# Altium PCB Dart_Controller_PCB.PcbDoc
Units mil, origin at the board's own origin, x right, y up, seen from the top; angles counter-clockwise.
Board outline 2952.76 x 1574.8 mil, 4 copper layers (TOP, GND02, PWR03, BOTTOM), stack 23.756 mil thick; 83 components, 45 nets, 311 pads, 161 vias.
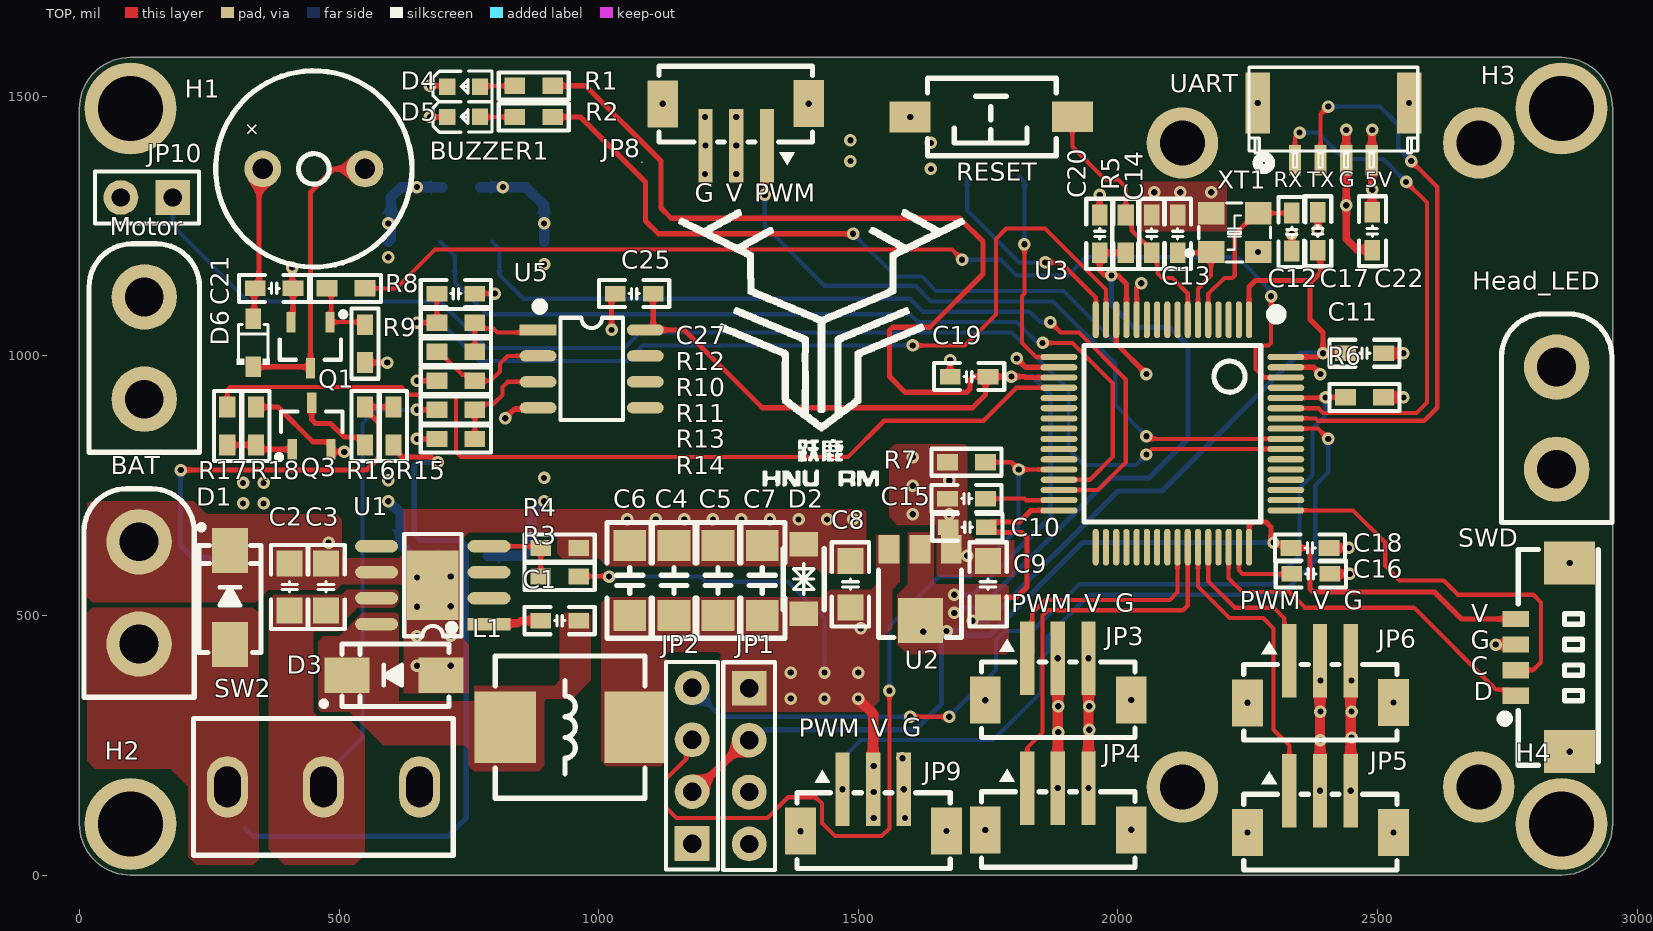
[diagram p0: TOP view]
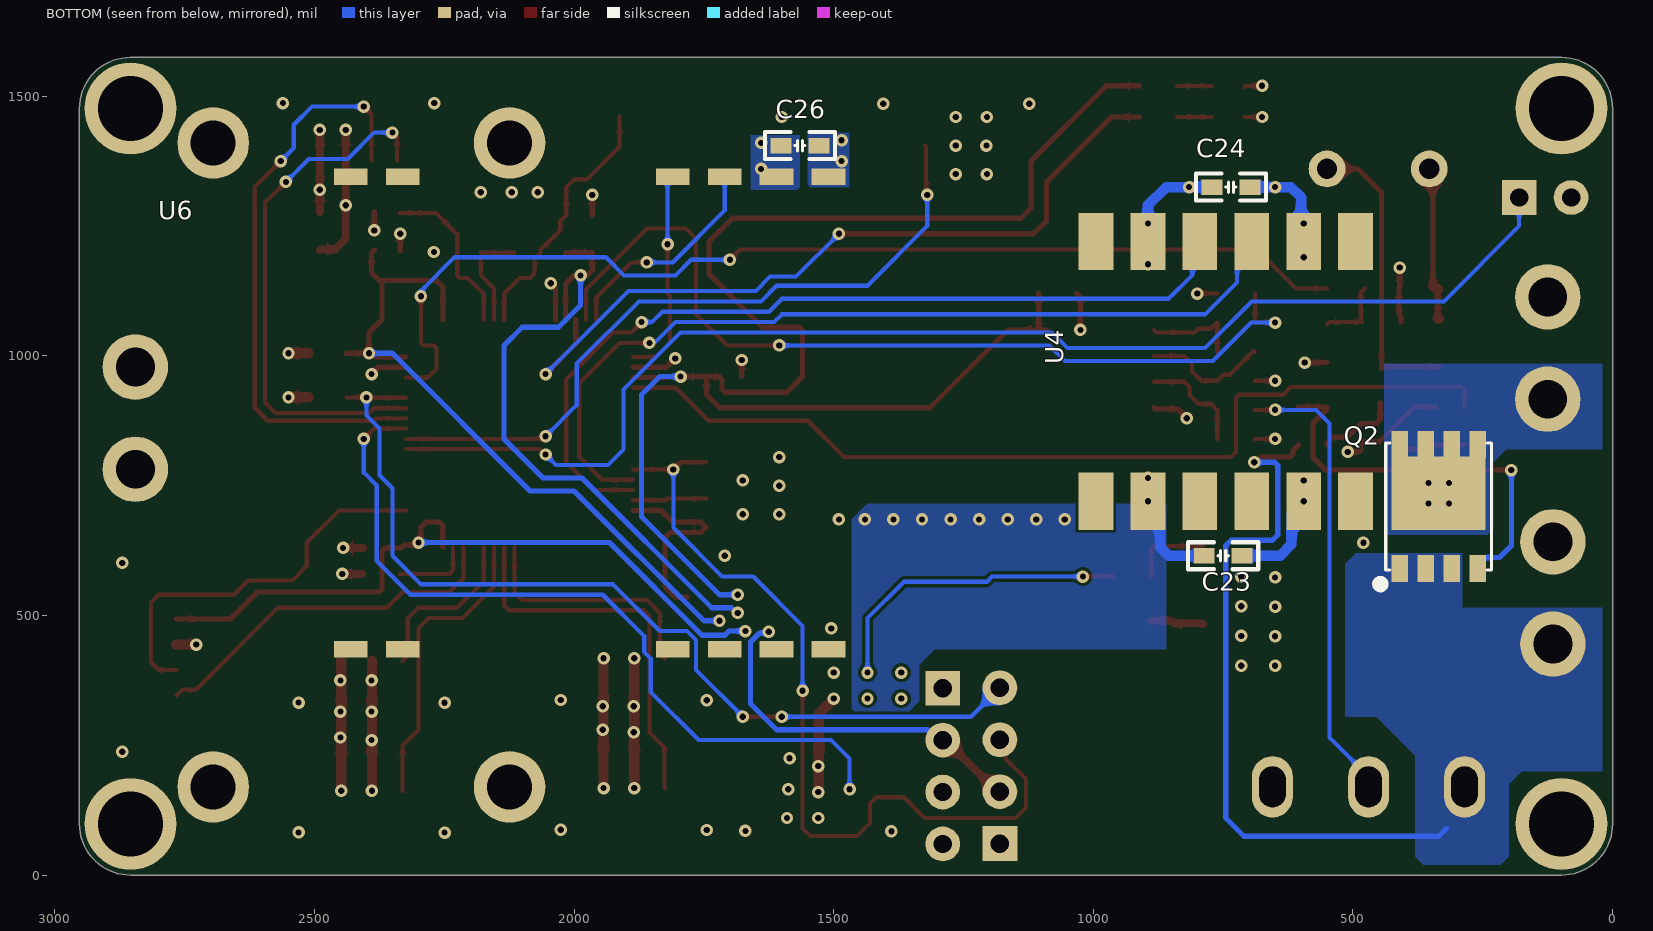
[diagram p1: BOTTOM view, seen from below]
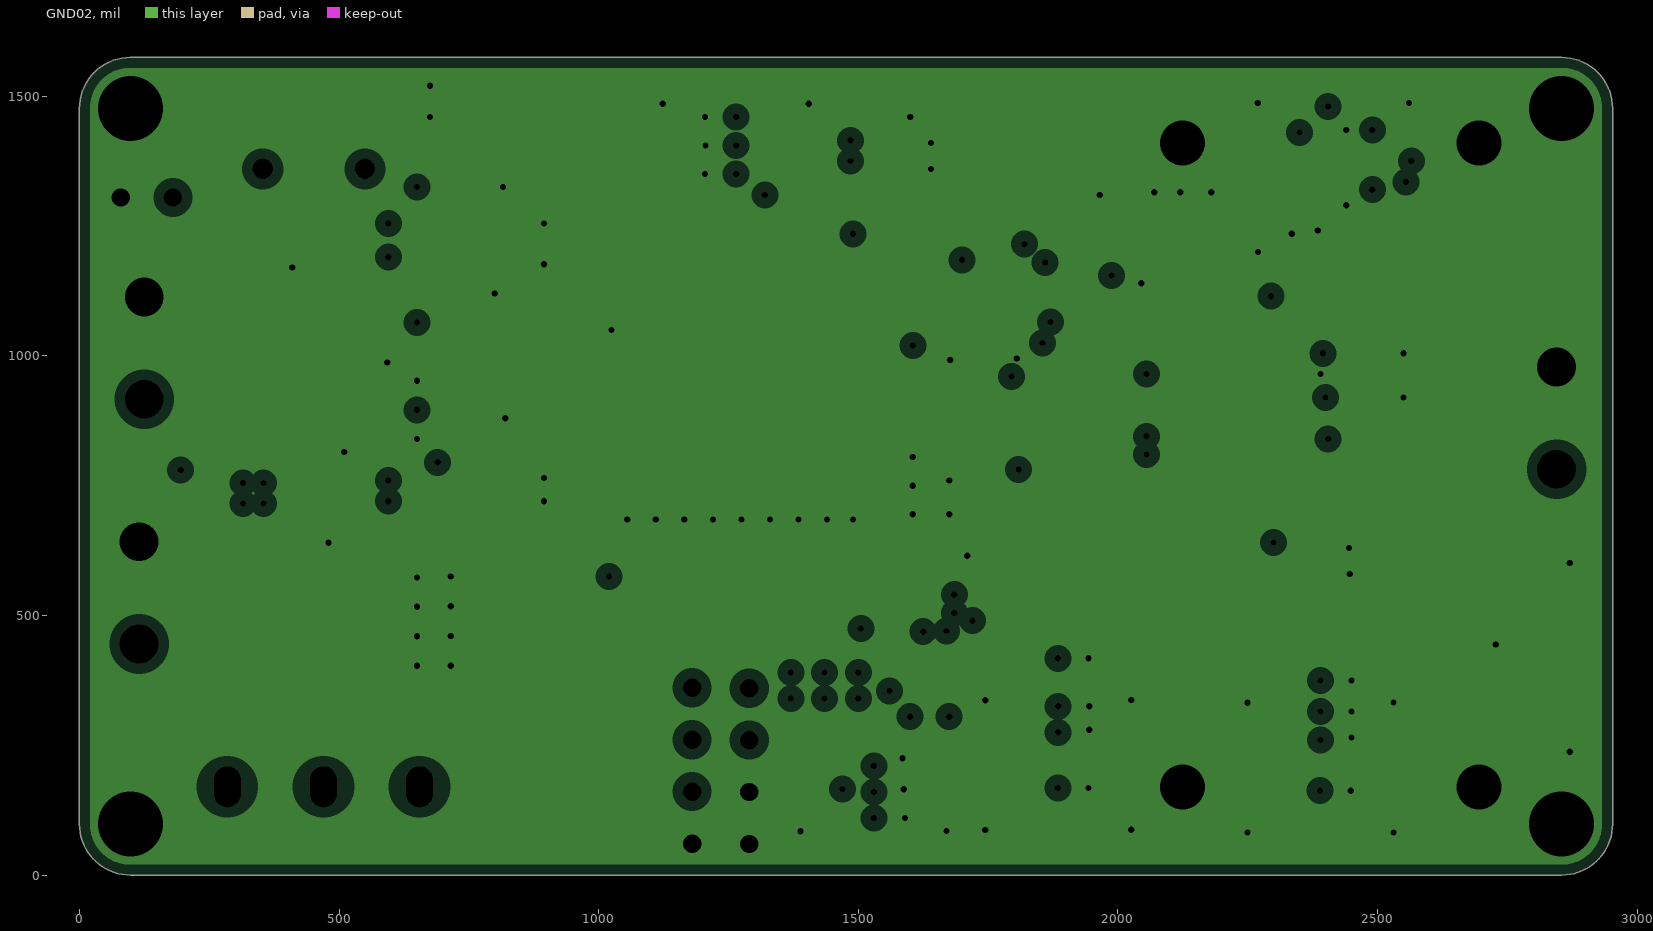
[diagram p2: GND02, clearances drawn from the general rule]
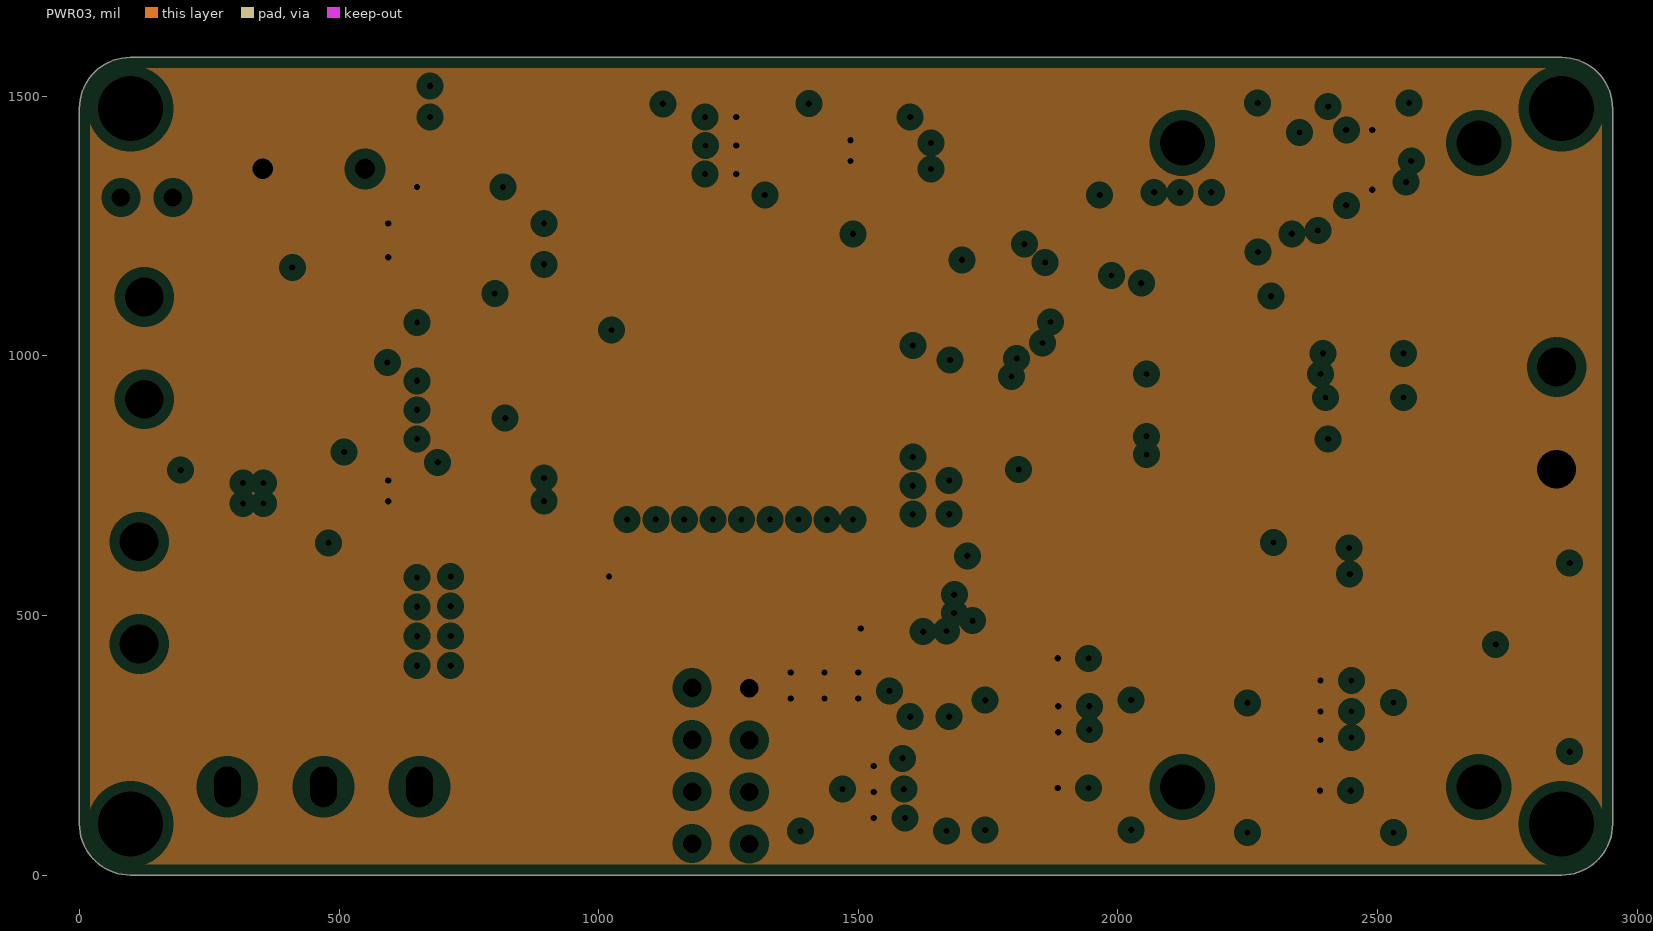
[diagram p3: PWR03, clearances drawn from the general rule]

## Layer stack, top to bottom
Top Solder: solder mask 0.4, Solder Resist, Dk 3.5
TOP: signal copper 1.4
Dielectric 2: prepreg 2.8, PP-006, Dk 4.1
GND02: plane copper 1.378, net GND
Dielectric 1: dielectric 12.6, FR-4, Dk 4.8
PWR03: plane copper 1.378, net VCC_5V
Dielectric 3: prepreg 2.8, PP-006, Dk 4.1
BOTTOM: signal copper 1.4
Bottom Solder: solder mask 0.4, Solder Resist, Dk 3.5

## Board outline
98.43,0 cw(c98.43,98.43) 0,98.43 0,1476.38 cw(c98.43,1476.38) 98.43,1574.8 2854.33,1574.8 cw(c2854.33,1476.38) 2952.76,1476.38 2952.76,98.43 cw(c2854.33,98.43) 2854.33,0

## Design rules (kind name [scope] priority, off if disabled: settings)
Clearance [All] p1: gap=6 ignorepadtopadclearanceinfootprint=TRUE
DiffPairsRouting [All] p1: maxlimit=10 minlimit=8 mostfreqgap=10 toplayer_minwidth=8 toplayer_maxwidth=15 toplayer_prefwidth=10 bottomlayer_minwidth=8 bottomlayer_maxwidth=15 bottomlayer_prefwidth=10 maxuncoupledlength=500
HoleSize [All] p1: absolutevalues=TRUE maxlimit=99999 minlimit=1 maxpercent=80.000 minpercent=20.000
HoleToHoleClearance [All] p1: gap=8 allowstackedmicrovias=TRUE
MinimumSolderMaskSliver [All] p1: minsoldermaskwidth=0
PlaneClearance [All] p1: clearance=20
PlaneConnect [All] p1: planeconnectstyle=Direct reliefexpansion=20 reliefentries=4 reliefconductorwidth=10 reliefairgap=10
PolygonConnect [All] p1: connectstyle=Direct reliefconductorwidth=10 reliefentries=4 polygonreliefangle="90 Angle" airgapwidth=10
RoutingVias [All] p1: holewidth=12 width=24 viastyle="Through Hole" minholewidth=8 minwidth=22 maxholewidth=12 maxwidth=24
SilkToSilkClearance [All] p1: silktosilkclearance=0
SilkToSolderMaskClearance [IsPad] p1: minsilkscreentomaskgap=0 clearancetoexposedcopper=TRUE
SolderMaskExpansion [All] p1: expansion=4 istentingtop=FALSE
Width [All] p1: maxlimit=20 minlimit=8 preferedwidth=10
22 further rules are at their usual default settings.

## Classes and differential pairs
component class Dart_Controller_SCH2: Head_LED Q2 Q3 R15 R16 R17 R18 SW2
component class Dart_Controller_SCH: BAT BUZZER1 C1 C2 C3 C4 C5 C6 C7 C8 C9 C10 C11 C12 C13 C14 C15 C16 C17 C18 C19 C20 C21 C22 C23 C24 C25 C26 C27 D1 D2 D3 D4 D5 D6 H1 H2 H3 H4 JP1 JP2 JP3 JP4 JP5 JP6 JP8 JP9 JP10 L1 Motor Q1 R1 R2 R3 R4 R5 R6 R7 R8 R9 R10 R11 R12 R13 R14 RESET SWD U1 U2 U3 U4 U5 U6 UART XT1

## Components (designator, comment, footprint, x,y, rotation, side; value= is the part's Value field where it differs from the comment)
BAT "XT30UPB-M" XT30UPB-M 115,543.43 r90 top
BUZZER1 "3000Hz" BUZ-TH_BD9.6-P5.00-D0.7-FD 451.57,1360 r0 top
C1 "10nf/0603" "C 0603_M" 925,490 r180 top
C2 "10uf/0805" "C 0805_M" 405,555 r270 top
C3 "0.1uf/0805" "C 0805_M" 475,555 r270 top
C4 "47uf/1206" "C 1206_M" 1145,567.5 r270 top
C5 "47uf/1206" "C 1206_M" 1230,567.5 r270 top
C6 "47uf/1206" "C 1206_M" 1060,567.5 r270 top
C7 "47uf/1206" "C 1206_M" 1315,567.5 r270 top
C8 "10uf/0805" "C 0805_M" 1485,560 r270 top
C9 "22uf/0805" "C 0805_M" 1750,560 r270 top
C10 "100nf/0603" "C 0603_M" 1710,670 r0 top
C11 "100nf/0603" "C 0603_M" 2475,1005 r180 top
C12 "20pf/0603" "C 0603_M" 2335,1238.5 r270 top
C13 "20pf/0603" "C 0603_M" 2115,1235 r90 top
C14 "100nf/0603" "C 0603_M" 2065,1235 r270 top
C15 "2.2uf/0603" "C 0603_M" 1708.5,725 r180 top
C16 "2.2uf/0603" "C 0603_M" 2371.5,580 r0 top
C17 "100nf/0603" "C 0603_M" 2385,1240 r270 top
C18 "100nf/0603" "C 0603_M" 2370,630 r180 top
C19 "100nf/0603" "C 0603_M" 1713.5,960 r0 top
C20 "100nf/0603" "C 0603_M" 1965,1235 r270 top
C21 "10uf/0603" "C 0603_M" 375,1130 r0 top
C22 "100nf/0603" "C 0603_M" 2490,1240 r270 top
C23 "100nf/0603" "C 0603_M" 750,615 r180 bottom
C24 "100nf/0603" "C 0603_M" 735,1325 r0 bottom
C25 "100nf/0603" "C 0603_M" 1068.5,1120 r0 top
C26 "100nf/0603" "C 0603_M" 1565,1405 r0 bottom
C27 "10nf/0603" "C 0603_M" 725,1120 r180 top
D1 "SMAJ28CA" SMA 290,535 r90 top
D2 "SMF5.0CA" SOD-123FL_L2.8-W1.8-LS3.7-BI 1395,570 r90 top
D3 "SS34" SMA 605.55,385 r180 top
D4 "LED" LED0603-RD_RED 740,1518.43 r0 top
D5 "LED" LED0603-RD_RED 740,1460 r0 top
D6 "1N4148" SOD-323_L1.8-W1.3-LS2.5-RD 335,1025 r90 top
H1 "固定孔" 铜柱孔#1 110,1455 r0 top
H2 "固定孔" 铜柱孔#2 100,100 r0 top
H3 "固定孔" 铜柱孔#3 2854.33,1476.38 r0 top
H4 "固定孔" 铜柱孔#4 2848.15,95 r0 top
Head_LED "XT30UPB-F" XT30UPB-F 2845,880 r90 top
JP1 "Header 4" HDR2.54-LI-4P 1290,210 r270 top
JP2 "Header 4" HDR2.54-LI-4P 1180,210.71 r90 top
JP3 "ZH1.5-LS" ZH1.5 1880,345 r0 top
JP4 "ZH1.5-LS" ZH1.5 1880,95 r0 top
JP5 "ZH1.5-LS" ZH1.5 2385,90 r0 top
JP6 "ZH1.5-LS" ZH1.5 2385,340 r0 top
JP8 "ZH1.5-LS" ZH1.5 1269.29,1477.56 r180 top
JP9 "ZH1.5-LS" ZH1.5 1524.3,92.8 r0 top
JP10 "Header 2" HDR2.54-LI-2P 130,1305 r180 top
L1 "FXL0630-150-M" L-SMD-0630 945,285 r0 top
Motor "XT30UPB-F" XT30UPB-F 125,1015 r90 top
Q1 "SS8050" SOT23-3L 445,1020 r180 top
Q2 "WSD30L120DN56" POWERVDFN-8_L6.0-W5.0-P1.27-BL 335,710 r180 bottom
Q3 "SS8050" SOT23-3L 447.4,865 r0 top
R1 "1K/0603" "R 0603_M" 875,1520 r0 top
R2 "1K/0603" "R 0603_M" 875,1460 r0 top
R3 "12K/0603" "R 0603_M" 925,575 r0 top
R4 "3.9K/0603" "R 0603_M" 925,630 r180 top
R5 "10K/0603" "R 0603_M" 2015,1235 r270 top
R6 "10K/0603" "R 0603_M" 2475,920 r180 top
R7 "10K/0603" "R 0603_M" 1708.5,795 r0 top
R8 "510R/0603" "R 0603_M" 513.5,1130 r180 top
R9 "10K/0603" "R 0603_M" 550,1023.5 r90 top
R10 "1K/0603" "R 0603_M" 725,1008 r0 top
R11 "4.7K/0603" "R 0603_M" 725,952 r0 top
R12 "47R/0603" "R 0603_M" 725,1064 r180 top
R13 "4.7K/0603" "R 0603_M" 725,896 r0 top
R14 "1K/0603" "R 0603_M" 725,840 r0 top
R15 "2.2K/0603" "R 0603_M" 605,865 r270 top
R16 "2.2K/0603" "R 0603_M" 550,865 r90 top
R17 "1K/0603" "R 0603_M" 285,865 r90 top
R18 "10K/0603" "R 0603_M" 340,865 r90 top
RESET "3x6x5" "TSW SMD-3*6*2.5" 1755,1460 r180 top
SW2 "SS-12D10L5" SW-TH_SS-12D10L5 470.04,170 r0 top
SWD "MX1.25-LS" "MX 1.25-LS-4P" 2855,420 r90 top
U1 "TPS5430DDAR" ESOP8 680.59,558.31 r180 top
U2 "AMS1117-3.3V" SOT-89 1617.24,627.22 r180 top
U3 "STM32F405RGT6" "LQFP64 10x10_N" 2105,850 r180 top
U4 "MPU925" JY901B_MPU9250 495,1220 r270 bottom
U5 "TLV9062IDR" SOP8_N 986.65,975 r0 top
U6 "Digital_Transfer" Digital_Transfer 1845,900 r0 bottom
UART "GH1.25-4P-LS" GH1.25-LS-4P 2415,1475 r180 top (schematic designator JP12)
XT1 "12MHz" XTAL_3225_4P 2179.45,1200 r0 top

## Footprints (in the part's own frame and the unit in brackets; to place one, negate y for a bottom-side part, rotate by r counter-clockwise, add the part's x,y. Pads: shape width x height; smd on the part's side, far side on the other; paste and mask are expansions set on the pad)
BUZ-TH_BD9.6-P5.00-D0.7-FD [mm]
  round 1.8 hole 1 paste-2539.97 mask+0.051: 1(-2.5,0) 2(2.5,0)
  silkscreen extent -4.8,-4.8 4.8,4.8, body extent -4.5,-4.5 4.5,4.5, height 5.51
"C 0603_M" [mil] "无极性贴片电容                                淘宝ID:黄晶宝石"
  rect 40x30 smd: 1(-36.5,0) 2(36.5,0)
  silkscreen extent -68,-26 68,26, body extent -31,-16 31,16, height 32
"C 0805_M" [mil] "无极性贴片电容                                         淘宝ID:黄晶宝石"
  rect 50x50 smd: 1(-45,0) 2(45,0)
  silkscreen extent -81,-36 81,36, body extent -39,-24 39,24, height 20
"C 1206_M" [mil] "无极性贴片电容"
  rect 60x62.99 smd: 1(-67.5,0) 2(67.5,0)
  silkscreen extent -112,-44 112,44, body extent -63,-32 63,32, height 48
Digital_Transfer [mil]
  rect 65x31.5 smd: 0(485,-445) 0(485,465) 0(585,-445) 0(585,465) 1(-335,-445) 2(-235,-445) 3(-135,-445) 4(-35,-445) 5(-35,465) 6(-135,465) 7(-235,465) 8(-335,465)
ESOP8 [mm]
  rect 2.1x0.6 smd: 1(-2.75,1.905)
  oval 2.1x0.6 smd: 2(-2.75,0.635) 3(-2.75,-0.635) 4(-2.75,-1.905) 5(2.75,-1.905) 6(2.75,-0.635) 7(2.75,0.635) 8(2.75,1.905)
  rect 2.5x3.4 smd paste-2: 9(0,0)
  rect 0.9x0.7 on Top Paste: 10(-0.625,1.1) 10(-0.625,0) 10(-0.625,-1.1) 11(0.65,1.1) 11(0.65,0) 11(0.65,-1.1)
  silkscreen extent -1.4,-2.5 1.4,2.5, body extent -3.05,-2.5 2.95,2.5, height 1.53
GH1.25-LS-4P [mm] "A1257WR-S-4P"
  rect 0.6x1.5 smd: 1(1.875,2.5) 2(0.625,2.5) 3(-0.625,2.5) 4(-1.875,2.5)
  rect 1.2x3 smd: 5(-3.7,-0.3) 6(3.7,-0.3)
  silkscreen extent -4.13,-2.05 4.12,2.93, body extent -4.12,-2.15 4.12,2.25, height 4.2
HDR2.54-LI-2P [mm] "封装库来自淘宝卖家 ID：黄晶宝石"
  rect 1.7x1.7 hole 0.9: 1(-1.27,0)
  round 1.7 hole 0.9: 2(1.27,0)
  silkscreen extent -2.54,-1.27 2.54,1.27, body extent -2.54,-1.27 2.54,1.27, height 8.5
HDR2.54-LI-4P [mm] "排针，4脚"
  rect 1.7x1.7 hole 0.9: 1(-3.81,0)
  round 1.7 hole 0.9: 2(-1.27,0) 3(1.27,0) 4(3.81,0)
  silkscreen extent -5.08,-1.27 5.08,1.27, body extent -5.08,-1.27 5.08,1.27, height 8.5
JY901B_MPU9250 [mm]
  rect 2.8x1.7 smd: 1(0,0) 2(0,-2.54) 3(0,-5.08) 4(0,-7.62) 5(0,-10.16) 6(0,-12.7) 7(12.7,-12.7) 8(12.7,-10.16) 9(12.7,-7.62) 10(12.7,-5.08) 11(12.7,-2.54) 12(12.7,0)
L-SMD-0630 [mm] "一体化成型电感"
  rect 3x3.5 smd: 1(-3.175,0) 2(3.175,0)
  silkscreen extent -3.66,-3.48 3.66,3.48, body extent -3.47,-3.3 3.47,3.3, height 3.05
LED0603-RD_RED [mm]
  rect 0.8x0.8 smd paste+0 mask+0.051: 1(-0.799,-0.003) 2(0.799,0.004)
  silkscreen extent -1.49,-0.75 1.39,0.76, body extent -0.8,-0.4 0.8,0.4, height 0.47
"LQFP64 10x10_N" [mm]
  oval 0.3x1.8 smd: 1(-3.75,-5.575) 2(-3.25,-5.575) 3(-2.75,-5.575) 4(-2.25,-5.575) 5(-1.75,-5.575) 6(-1.25,-5.575) 7(-0.75,-5.575) 8(-0.25,-5.575) 9(0.25,-5.575) 10(0.75,-5.575) 11(1.25,-5.575) 12(1.75,-5.575) 13(2.25,-5.575) 14(2.75,-5.575) 15(3.25,-5.575) 16(3.75,-5.575) 33(3.75,5.55) 34(3.25,5.55) 35(2.75,5.55) 36(2.25,5.55) 37(1.75,5.55) 38(1.25,5.55) 39(0.75,5.55) 40(0.25,5.55) 41(-0.25,5.55) 42(-0.75,5.55) 43(-1.25,5.55) 44(-1.75,5.55) 45(-2.25,5.55) 46(-2.75,5.55) 47(-3.25,5.55) 48(-3.75,5.55)
  oval 1.8x0.3 smd: 17(5.55,-3.75) 18(5.55,-3.25) 19(5.55,-2.75) 20(5.55,-2.25) 21(5.55,-1.75) 22(5.55,-1.25) 23(5.55,-0.75) 24(5.55,-0.25) 25(5.55,0.25) 26(5.55,0.75) 27(5.55,1.25) 28(5.55,1.75) 29(5.55,2.25) 30(5.55,2.75) 31(5.55,3.25) 32(5.55,3.75) 49(-5.55,3.75) 50(-5.55,3.25) 51(-5.55,2.75) 52(-5.55,2.25) 53(-5.55,1.75) 54(-5.55,1.25) 55(-5.55,0.75) 56(-5.55,0.25) 57(-5.55,-0.25) 58(-5.55,-0.75) 59(-5.55,-1.25) 60(-5.55,-1.75) 61(-5.55,-2.25) 62(-5.55,-2.75) 63(-5.55,-3.25) 64(-5.55,-3.75)
  silkscreen extent -5.33,-6.09 4.32,4.32, body extent -6,-6 6,6, height 1.45
"MX 1.25-LS-4P" [mm] "长：9.75m，宽：3.7mm，高：4.7mm"
  rect 0.8x1.3 smd: 1(-1.889,2.261) 2(-0.639,2.261) 3(0.611,2.261) 4(1.861,2.261)
  rect 2.1x2.5 smd: 5(4.604,-0.381) 6(-4.632,-0.381)
  silkscreen extent -5.29,-1.78 5.27,2.99, body extent -5.07,-1.6 5.07,2.5, height 4.7
POWERVDFN-8_L6.0-W5.0-P1.27-BL [mm]
  rect 0.8x1.321 smd paste-100 mask+0.051: D(-1.905,3.025) D(-0.635,3.025) D(0.635,3.025) D(1.905,3.025) G(1.905,-3.025) S(-1.905,-3.025) S(-0.635,-3.025) S(0.635,-3.025)
  rect 4.6x3.6 smd paste-100 mask+0.051: D(0,0.65)
  silkscreen extent -3.05,-4 2.59,3.1, body extent -2.64,-3.05 2.64,3.05, height 1.01
"R 0603_M" [mil] "1/10W贴片电阻                             淘宝ID:黄晶宝石"
  rect 40x31.5 smd: 1(-36.5,0) 2(36.5,0)
  silkscreen extent -68,-26 68,26, body extent -31,-16 32,16, height 16